# KiCad board prelude-driver-tail.kicad_pcb
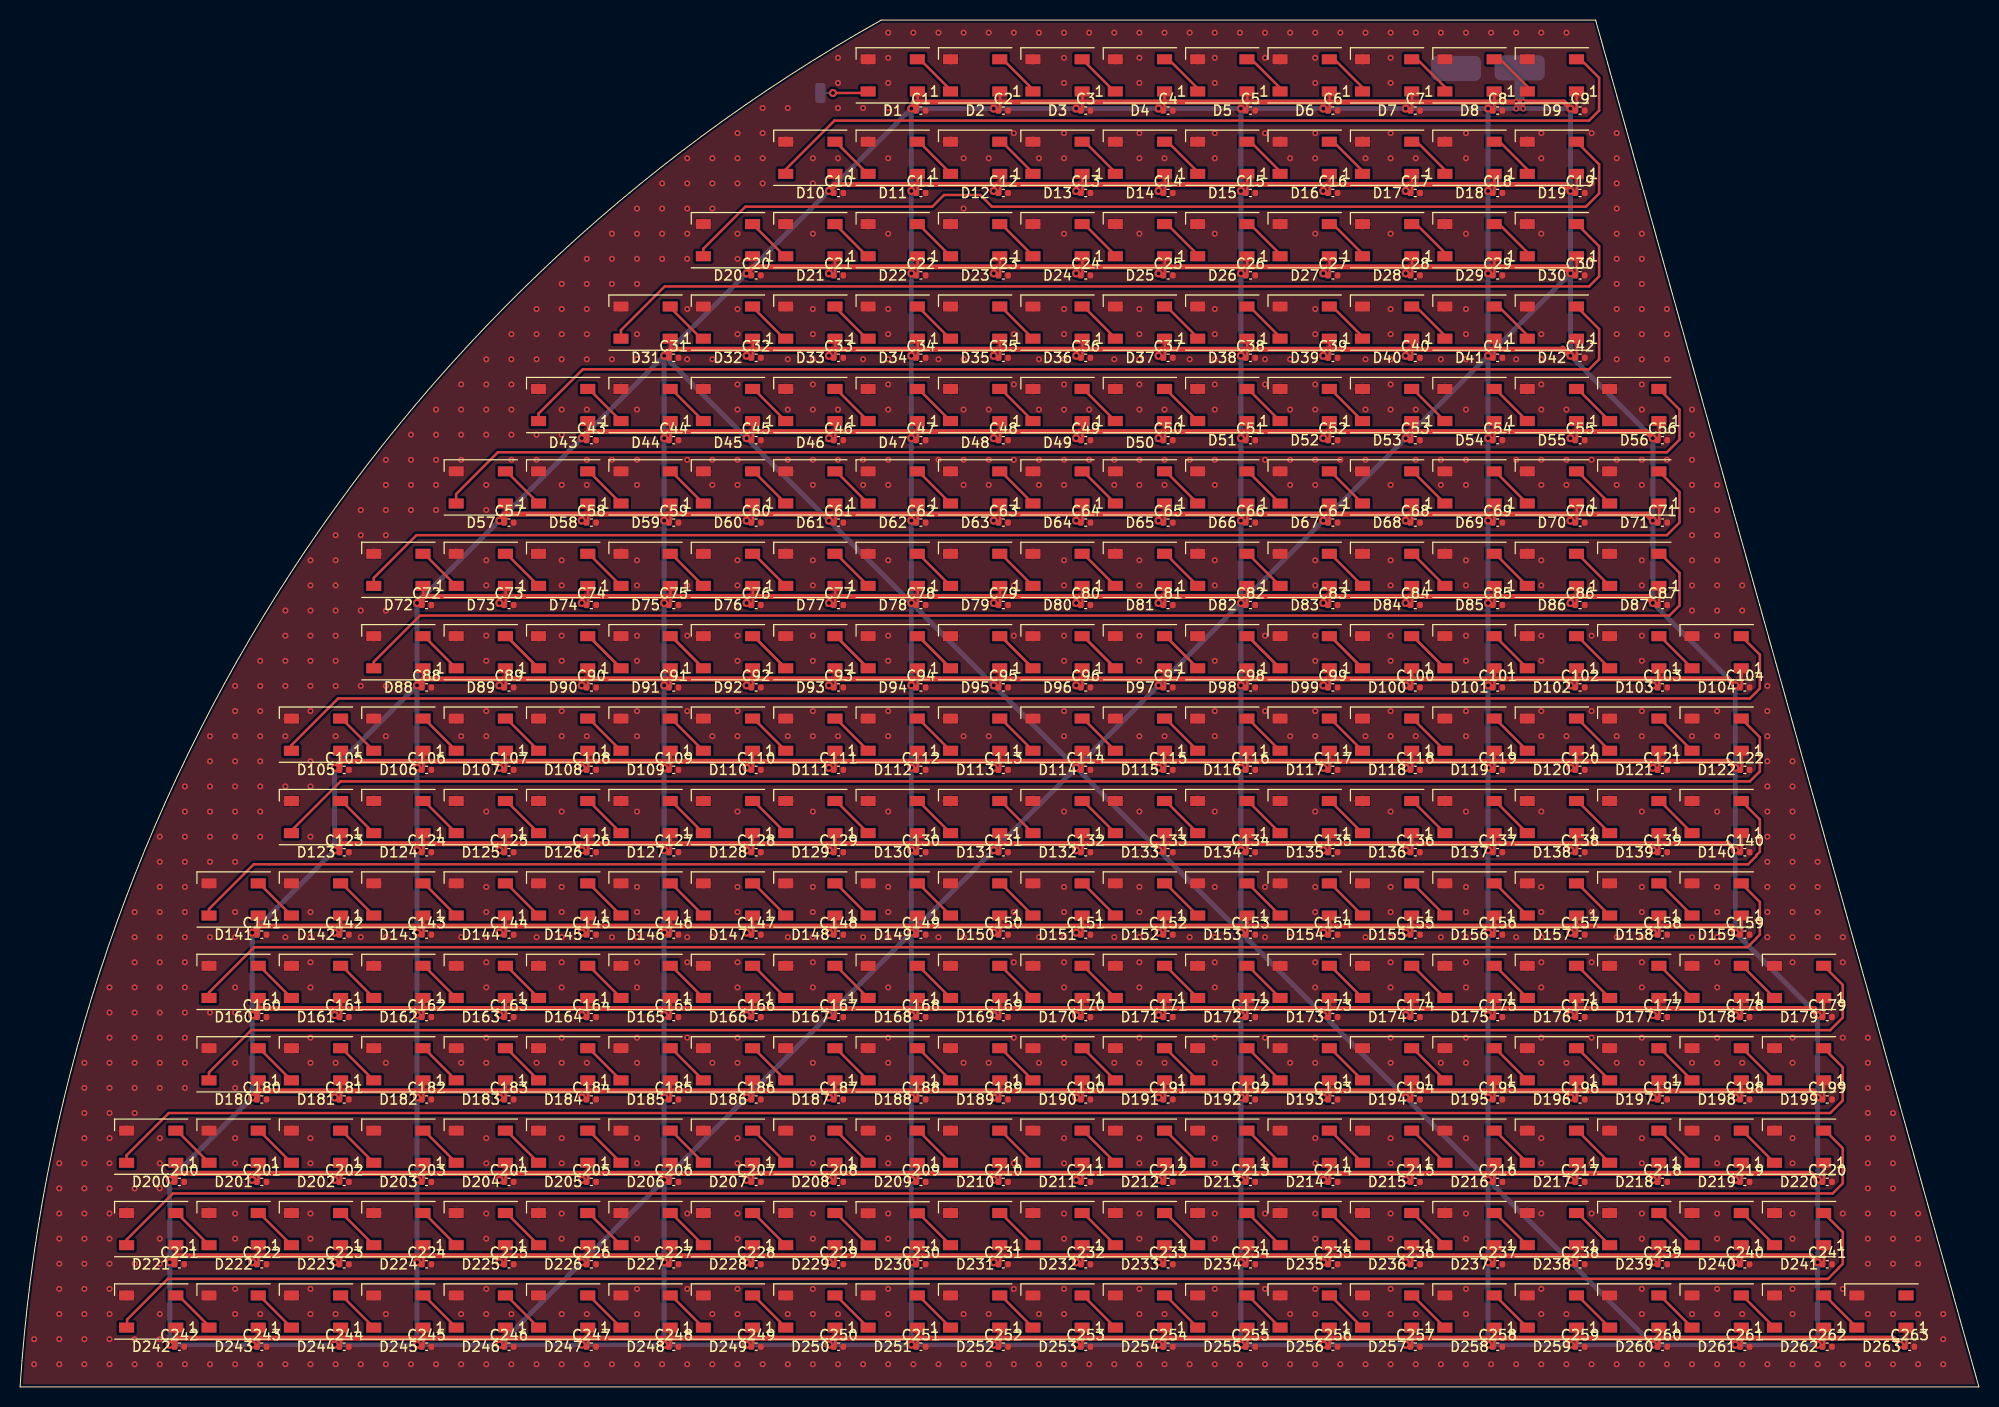
[diagram p0: board, top side]
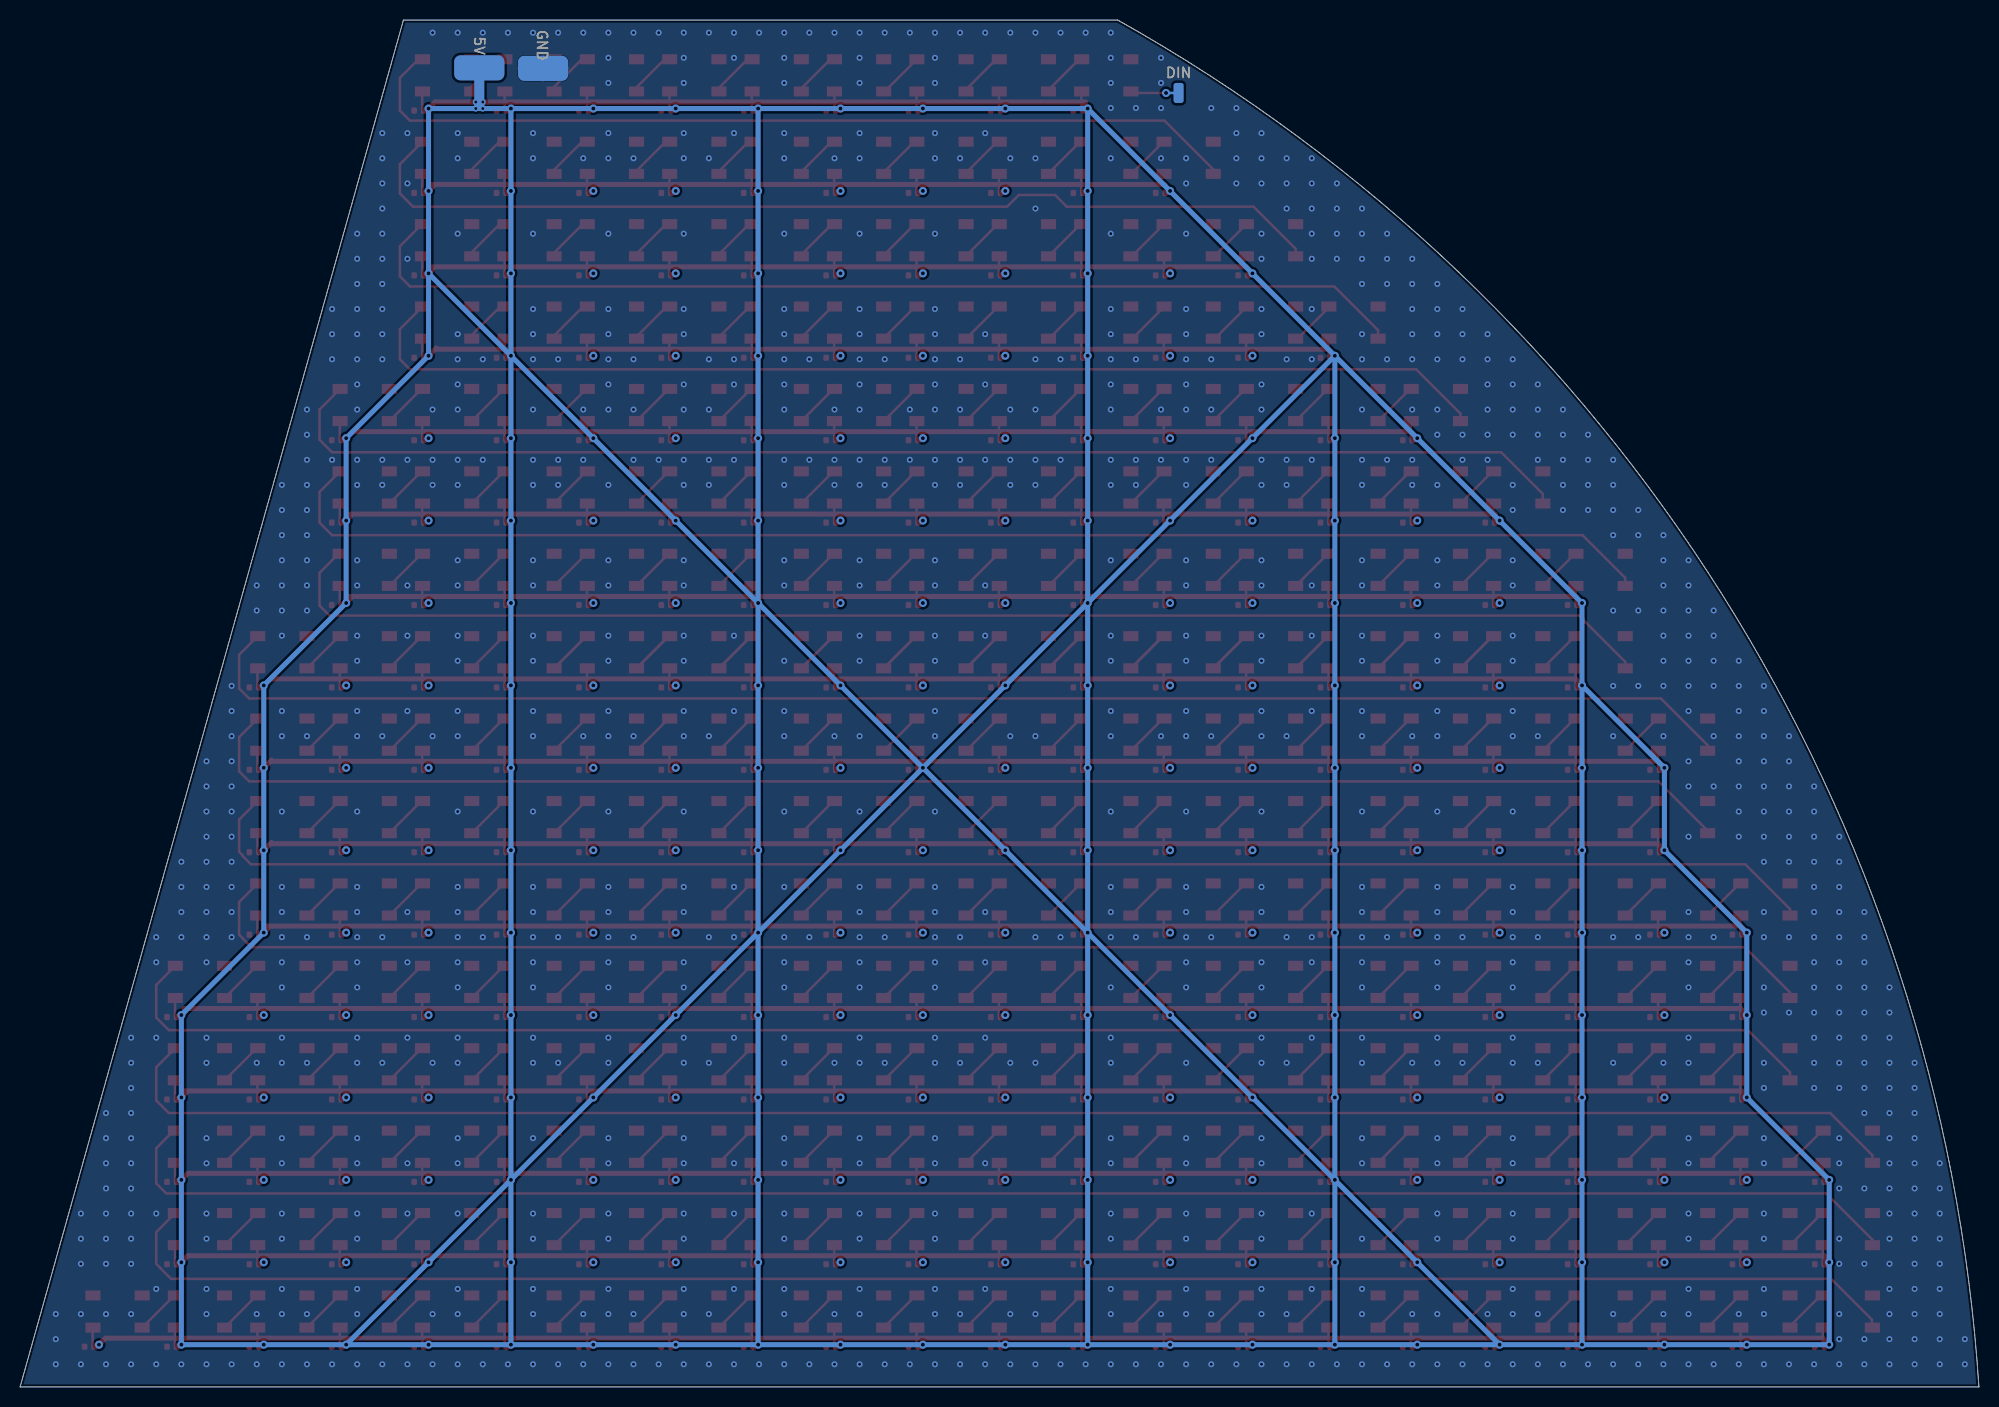
[diagram p1: board, bottom side, seen from below]

Outline 194.95 x 136 mm; copper layers: Top, Bottom. Coordinates in mm from the lower left corner of the outline.
Outline path: 0,0 arc(25.58,78.88) 85.7,136 156.8,136 194.95,0 0,0
Stack: Top 0.035mm / dielectric 1.51mm FR4 er 4.5 / Bottom 0.035mm

## Placement (name value [footprint] x y rotation side)
5V  Conn_01x01_Female  [SolderWirePad_1x01_SMD_5x10mm]  149.25 131.25 270 bottom
C1  100nF  [C_0402_1005Metric]  89.65 127 0 top
C2  100nF  [C_0402_1005Metric]  97.85 127 0 top
C3  100nF  [C_0402_1005Metric]  106.05 127 0 top
C4  100nF  [C_0402_1005Metric]  114.25 127 0 top
C5  100nF  [C_0402_1005Metric]  122.45 127 0 top
C6  100nF  [C_0402_1005Metric]  130.65 127 0 top
C7  100nF  [C_0402_1005Metric]  138.85 127 0 top
C8  100nF  [C_0402_1005Metric]  147.05 127 0 top
C9  100nF  [C_0402_1005Metric]  155.25 127 0 top
C10  100nF  [C_0402_1005Metric]  81.45 118.8 0 top
C11  100nF  [C_0402_1005Metric]  89.65 118.8 0 top
C12  100nF  [C_0402_1005Metric]  97.85 118.8 0 top
C13  100nF  [C_0402_1005Metric]  106.05 118.8 0 top
C14  100nF  [C_0402_1005Metric]  114.25 118.8 0 top
C15  100nF  [C_0402_1005Metric]  122.45 118.8 0 top
C16  100nF  [C_0402_1005Metric]  130.65 118.8 0 top
C17  100nF  [C_0402_1005Metric]  138.85 118.8 0 top
C18  100nF  [C_0402_1005Metric]  147.05 118.8 0 top
C19  100nF  [C_0402_1005Metric]  155.25 118.8 0 top
C20  100nF  [C_0402_1005Metric]  73.25 110.6 0 top
C21  100nF  [C_0402_1005Metric]  81.45 110.6 0 top
C22  100nF  [C_0402_1005Metric]  89.65 110.6 0 top
C23  100nF  [C_0402_1005Metric]  97.85 110.6 0 top
C24  100nF  [C_0402_1005Metric]  106.05 110.6 0 top
C25  100nF  [C_0402_1005Metric]  114.25 110.6 0 top
C26  100nF  [C_0402_1005Metric]  122.45 110.6 0 top
C27  100nF  [C_0402_1005Metric]  130.65 110.6 0 top
C28  100nF  [C_0402_1005Metric]  138.85 110.6 0 top
C29  100nF  [C_0402_1005Metric]  147.05 110.6 0 top
C30  100nF  [C_0402_1005Metric]  155.25 110.6 0 top
C31  100nF  [C_0402_1005Metric]  65.05 102.4 0 top
C32  100nF  [C_0402_1005Metric]  73.25 102.4 0 top
C33  100nF  [C_0402_1005Metric]  81.45 102.4 0 top
C34  100nF  [C_0402_1005Metric]  89.65 102.4 0 top
C35  100nF  [C_0402_1005Metric]  97.85 102.4 0 top
C36  100nF  [C_0402_1005Metric]  106.05 102.4 0 top
C37  100nF  [C_0402_1005Metric]  114.25 102.4 0 top
C38  100nF  [C_0402_1005Metric]  122.45 102.4 0 top
C39  100nF  [C_0402_1005Metric]  130.65 102.4 0 top
C40  100nF  [C_0402_1005Metric]  138.85 102.4 0 top
C41  100nF  [C_0402_1005Metric]  147.05 102.4 0 top
C42  100nF  [C_0402_1005Metric]  155.25 102.4 0 top
C43  100nF  [C_0402_1005Metric]  56.85 94.2 0 top
C44  100nF  [C_0402_1005Metric]  65.05 94.2 0 top
C45  100nF  [C_0402_1005Metric]  73.25 94.2 0 top
C46  100nF  [C_0402_1005Metric]  81.45 94.2 0 top
C47  100nF  [C_0402_1005Metric]  89.65 94.2 0 top
C48  100nF  [C_0402_1005Metric]  97.85 94.2 0 top
C49  100nF  [C_0402_1005Metric]  106.05 94.2 0 top
C50  100nF  [C_0402_1005Metric]  114.25 94.2 0 top
C51  100nF  [C_0402_1005Metric]  122.45 94.2 0 top
C52  100nF  [C_0402_1005Metric]  130.65 94.2 0 top
C53  100nF  [C_0402_1005Metric]  138.85 94.2 0 top
C54  100nF  [C_0402_1005Metric]  147.05 94.2 0 top
C55  100nF  [C_0402_1005Metric]  155.25 94.2 0 top
C56  100nF  [C_0402_1005Metric]  163.45 94.2 0 top
C57  100nF  [C_0402_1005Metric]  48.65 86 0 top
C58  100nF  [C_0402_1005Metric]  56.85 86 0 top
C59  100nF  [C_0402_1005Metric]  65.05 86 0 top
C60  100nF  [C_0402_1005Metric]  73.25 86 0 top
C61  100nF  [C_0402_1005Metric]  81.45 86 0 top
C62  100nF  [C_0402_1005Metric]  89.65 86 0 top
C63  100nF  [C_0402_1005Metric]  97.85 86 0 top
C64  100nF  [C_0402_1005Metric]  106.05 86 0 top
C65  100nF  [C_0402_1005Metric]  114.25 86 0 top
C66  100nF  [C_0402_1005Metric]  122.45 86 0 top
C67  100nF  [C_0402_1005Metric]  130.65 86 0 top
C68  100nF  [C_0402_1005Metric]  138.85 86 0 top
C69  100nF  [C_0402_1005Metric]  147.05 86 0 top
C70  100nF  [C_0402_1005Metric]  155.25 86 0 top
C71  100nF  [C_0402_1005Metric]  163.45 86 0 top
C72  100nF  [C_0402_1005Metric]  40.45 77.8 0 top
C73  100nF  [C_0402_1005Metric]  48.65 77.8 0 top
C74  100nF  [C_0402_1005Metric]  56.85 77.8 0 top
C75  100nF  [C_0402_1005Metric]  65.05 77.8 0 top
C76  100nF  [C_0402_1005Metric]  73.25 77.8 0 top
C77  100nF  [C_0402_1005Metric]  81.45 77.8 0 top
C78  100nF  [C_0402_1005Metric]  89.65 77.8 0 top
C79  100nF  [C_0402_1005Metric]  97.85 77.8 0 top
C80  100nF  [C_0402_1005Metric]  106.05 77.8 0 top
C81  100nF  [C_0402_1005Metric]  114.25 77.8 0 top
C82  100nF  [C_0402_1005Metric]  122.45 77.8 0 top
C83  100nF  [C_0402_1005Metric]  130.65 77.8 0 top
C84  100nF  [C_0402_1005Metric]  138.85 77.8 0 top
C85  100nF  [C_0402_1005Metric]  147.05 77.8 0 top
C86  100nF  [C_0402_1005Metric]  155.25 77.8 0 top
C87  100nF  [C_0402_1005Metric]  163.45 77.8 0 top
C88  100nF  [C_0402_1005Metric]  40.45 69.6 0 top
C89  100nF  [C_0402_1005Metric]  48.65 69.6 0 top
C90  100nF  [C_0402_1005Metric]  56.85 69.6 0 top
C91  100nF  [C_0402_1005Metric]  65.05 69.6 0 top
C92  100nF  [C_0402_1005Metric]  73.25 69.6 0 top
C93  100nF  [C_0402_1005Metric]  81.45 69.6 0 top
C94  100nF  [C_0402_1005Metric]  89.65 69.6 0 top
C95  100nF  [C_0402_1005Metric]  97.85 69.6 0 top
C96  100nF  [C_0402_1005Metric]  106.05 69.6 0 top
C97  100nF  [C_0402_1005Metric]  114.25 69.6 0 top
C98  100nF  [C_0402_1005Metric]  122.45 69.6 0 top
C99  100nF  [C_0402_1005Metric]  130.65 69.6 0 top
C100  100nF  [C_0402_1005Metric]  138.85 69.6 0 top
C101  100nF  [C_0402_1005Metric]  147.05 69.6 0 top
C102  100nF  [C_0402_1005Metric]  155.25 69.6 0 top
C103  100nF  [C_0402_1005Metric]  163.45 69.6 0 top
C104  100nF  [C_0402_1005Metric]  171.65 69.6 0 top
C105  100nF  [C_0402_1005Metric]  32.25 61.4 0 top
C106  100nF  [C_0402_1005Metric]  40.45 61.4 0 top
C107  100nF  [C_0402_1005Metric]  48.65 61.4 0 top
C108  100nF  [C_0402_1005Metric]  56.85 61.4 0 top
C109  100nF  [C_0402_1005Metric]  65.05 61.4 0 top
C110  100nF  [C_0402_1005Metric]  73.25 61.4 0 top
C111  100nF  [C_0402_1005Metric]  81.45 61.4 0 top
C112  100nF  [C_0402_1005Metric]  89.65 61.4 0 top
C113  100nF  [C_0402_1005Metric]  97.85 61.4 0 top
C114  100nF  [C_0402_1005Metric]  106.05 61.4 0 top
C115  100nF  [C_0402_1005Metric]  114.25 61.4 0 top
C116  100nF  [C_0402_1005Metric]  122.45 61.4 0 top
C117  100nF  [C_0402_1005Metric]  130.65 61.4 0 top
C118  100nF  [C_0402_1005Metric]  138.85 61.4 0 top
C119  100nF  [C_0402_1005Metric]  147.05 61.4 0 top
C120  100nF  [C_0402_1005Metric]  155.25 61.4 0 top
C121  100nF  [C_0402_1005Metric]  163.45 61.4 0 top
C122  100nF  [C_0402_1005Metric]  171.65 61.4 0 top
C123  100nF  [C_0402_1005Metric]  32.25 53.2 0 top
C124  100nF  [C_0402_1005Metric]  40.45 53.2 0 top
C125  100nF  [C_0402_1005Metric]  48.65 53.2 0 top
C126  100nF  [C_0402_1005Metric]  56.85 53.2 0 top
C127  100nF  [C_0402_1005Metric]  65.05 53.2 0 top
C128  100nF  [C_0402_1005Metric]  73.25 53.2 0 top
C129  100nF  [C_0402_1005Metric]  81.45 53.2 0 top
C130  100nF  [C_0402_1005Metric]  89.65 53.2 0 top
C131  100nF  [C_0402_1005Metric]  97.85 53.2 0 top
C132  100nF  [C_0402_1005Metric]  106.05 53.2 0 top
C133  100nF  [C_0402_1005Metric]  114.25 53.2 0 top
C134  100nF  [C_0402_1005Metric]  122.45 53.2 0 top
C135  100nF  [C_0402_1005Metric]  130.65 53.2 0 top
C136  100nF  [C_0402_1005Metric]  138.85 53.2 0 top
C137  100nF  [C_0402_1005Metric]  147.05 53.2 0 top
C138  100nF  [C_0402_1005Metric]  155.25 53.2 0 top
C139  100nF  [C_0402_1005Metric]  163.45 53.2 0 top
C140  100nF  [C_0402_1005Metric]  171.65 53.2 0 top
C141  100nF  [C_0402_1005Metric]  24.05 45 0 top
C142  100nF  [C_0402_1005Metric]  32.25 45 0 top
C143  100nF  [C_0402_1005Metric]  40.45 45 0 top
C144  100nF  [C_0402_1005Metric]  48.65 45 0 top
C145  100nF  [C_0402_1005Metric]  56.85 45 0 top
C146  100nF  [C_0402_1005Metric]  65.05 45 0 top
C147  100nF  [C_0402_1005Metric]  73.25 45 0 top
C148  100nF  [C_0402_1005Metric]  81.45 45 0 top
C149  100nF  [C_0402_1005Metric]  89.65 45 0 top
C150  100nF  [C_0402_1005Metric]  97.85 45 0 top
C151  100nF  [C_0402_1005Metric]  106.05 45 0 top
C152  100nF  [C_0402_1005Metric]  114.25 45 0 top
C153  100nF  [C_0402_1005Metric]  122.45 45 0 top
C154  100nF  [C_0402_1005Metric]  130.65 45 0 top
C155  100nF  [C_0402_1005Metric]  138.85 45 0 top
C156  100nF  [C_0402_1005Metric]  147.05 45 0 top
C157  100nF  [C_0402_1005Metric]  155.25 45 0 top
C158  100nF  [C_0402_1005Metric]  163.45 45 0 top
C159  100nF  [C_0402_1005Metric]  171.65 45 0 top
C160  100nF  [C_0402_1005Metric]  24.05 36.8 0 top
C161  100nF  [C_0402_1005Metric]  32.25 36.8 0 top
C162  100nF  [C_0402_1005Metric]  40.45 36.8 0 top
C163  100nF  [C_0402_1005Metric]  48.65 36.8 0 top
C164  100nF  [C_0402_1005Metric]  56.85 36.8 0 top
C165  100nF  [C_0402_1005Metric]  65.05 36.8 0 top
C166  100nF  [C_0402_1005Metric]  73.25 36.8 0 top
C167  100nF  [C_0402_1005Metric]  81.45 36.8 0 top
C168  100nF  [C_0402_1005Metric]  89.65 36.8 0 top
C169  100nF  [C_0402_1005Metric]  97.85 36.8 0 top
C170  100nF  [C_0402_1005Metric]  106.05 36.8 0 top
C171  100nF  [C_0402_1005Metric]  114.25 36.8 0 top
C172  100nF  [C_0402_1005Metric]  122.45 36.8 0 top
C173  100nF  [C_0402_1005Metric]  130.65 36.8 0 top
C174  100nF  [C_0402_1005Metric]  138.85 36.8 0 top
C175  100nF  [C_0402_1005Metric]  147.05 36.8 0 top
C176  100nF  [C_0402_1005Metric]  155.25 36.8 0 top
C177  100nF  [C_0402_1005Metric]  163.45 36.8 0 top
C178  100nF  [C_0402_1005Metric]  171.65 36.8 0 top
C179  100nF  [C_0402_1005Metric]  179.85 36.8 0 top
C180  100nF  [C_0402_1005Metric]  24.05 28.6 0 top
C181  100nF  [C_0402_1005Metric]  32.25 28.6 0 top
C182  100nF  [C_0402_1005Metric]  40.45 28.6 0 top
C183  100nF  [C_0402_1005Metric]  48.65 28.6 0 top
C184  100nF  [C_0402_1005Metric]  56.85 28.6 0 top
C185  100nF  [C_0402_1005Metric]  65.05 28.6 0 top
C186  100nF  [C_0402_1005Metric]  73.25 28.6 0 top
C187  100nF  [C_0402_1005Metric]  81.45 28.6 0 top
C188  100nF  [C_0402_1005Metric]  89.65 28.6 0 top
C189  100nF  [C_0402_1005Metric]  97.85 28.6 0 top
C190  100nF  [C_0402_1005Metric]  106.05 28.6 0 top
C191  100nF  [C_0402_1005Metric]  114.25 28.6 0 top
C192  100nF  [C_0402_1005Metric]  122.45 28.6 0 top
C193  100nF  [C_0402_1005Metric]  130.65 28.6 0 top
C194  100nF  [C_0402_1005Metric]  138.85 28.6 0 top
C195  100nF  [C_0402_1005Metric]  147.05 28.6 0 top
C196  100nF  [C_0402_1005Metric]  155.25 28.6 0 top
C197  100nF  [C_0402_1005Metric]  163.45 28.6 0 top
C198  100nF  [C_0402_1005Metric]  171.65 28.6 0 top
C199  100nF  [C_0402_1005Metric]  179.85 28.6 0 top
C200  100nF  [C_0402_1005Metric]  15.85 20.4 0 top
C201  100nF  [C_0402_1005Metric]  24.05 20.4 0 top
C202  100nF  [C_0402_1005Metric]  32.25 20.4 0 top
C203  100nF  [C_0402_1005Metric]  40.45 20.4 0 top
C204  100nF  [C_0402_1005Metric]  48.65 20.4 0 top
C205  100nF  [C_0402_1005Metric]  56.85 20.4 0 top
C206  100nF  [C_0402_1005Metric]  65.05 20.4 0 top
C207  100nF  [C_0402_1005Metric]  73.25 20.4 0 top
C208  100nF  [C_0402_1005Metric]  81.45 20.4 0 top
C209  100nF  [C_0402_1005Metric]  89.65 20.4 0 top
C210  100nF  [C_0402_1005Metric]  97.85 20.4 0 top
C211  100nF  [C_0402_1005Metric]  106.05 20.4 0 top
C212  100nF  [C_0402_1005Metric]  114.25 20.4 0 top
C213  100nF  [C_0402_1005Metric]  122.45 20.4 0 top
C214  100nF  [C_0402_1005Metric]  130.65 20.4 0 top
C215  100nF  [C_0402_1005Metric]  138.85 20.4 0 top
C216  100nF  [C_0402_1005Metric]  147.05 20.4 0 top
C217  100nF  [C_0402_1005Metric]  155.25 20.4 0 top
C218  100nF  [C_0402_1005Metric]  163.45 20.4 0 top
C219  100nF  [C_0402_1005Metric]  171.65 20.4 0 top
C220  100nF  [C_0402_1005Metric]  179.85 20.4 0 top
C221  100nF  [C_0402_1005Metric]  15.85 12.2 0 top
C222  100nF  [C_0402_1005Metric]  24.05 12.2 0 top
C223  100nF  [C_0402_1005Metric]  32.25 12.2 0 top
C224  100nF  [C_0402_1005Metric]  40.45 12.2 0 top
C225  100nF  [C_0402_1005Metric]  48.65 12.2 0 top
C226  100nF  [C_0402_1005Metric]  56.85 12.2 0 top
C227  100nF  [C_0402_1005Metric]  65.05 12.2 0 top
C228  100nF  [C_0402_1005Metric]  73.25 12.2 0 top
C229  100nF  [C_0402_1005Metric]  81.45 12.2 0 top
C230  100nF  [C_0402_1005Metric]  89.65 12.2 0 top
C231  100nF  [C_0402_1005Metric]  97.85 12.2 0 top
C232  100nF  [C_0402_1005Metric]  106.05 12.2 0 top
C233  100nF  [C_0402_1005Metric]  114.25 12.2 0 top
C234  100nF  [C_0402_1005Metric]  122.45 12.2 0 top
C235  100nF  [C_0402_1005Metric]  130.65 12.2 0 top
C236  100nF  [C_0402_1005Metric]  138.85 12.2 0 top
C237  100nF  [C_0402_1005Metric]  147.05 12.2 0 top
C238  100nF  [C_0402_1005Metric]  155.25 12.2 0 top
C239  100nF  [C_0402_1005Metric]  163.45 12.2 0 top
C240  100nF  [C_0402_1005Metric]  171.65 12.2 0 top
C241  100nF  [C_0402_1005Metric]  179.85 12.2 0 top
C242  100nF  [C_0402_1005Metric]  15.85 4 0 top
C243  100nF  [C_0402_1005Metric]  24.05 4 0 top
C244  100nF  [C_0402_1005Metric]  32.25 4 0 top
C245  100nF  [C_0402_1005Metric]  40.45 4 0 top
C246  100nF  [C_0402_1005Metric]  48.65 4 0 top
C247  100nF  [C_0402_1005Metric]  56.85 4 0 top
C248  100nF  [C_0402_1005Metric]  65.05 4 0 top
C249  100nF  [C_0402_1005Metric]  73.25 4 0 top
C250  100nF  [C_0402_1005Metric]  81.45 4 0 top
C251  100nF  [C_0402_1005Metric]  89.65 4 0 top
C252  100nF  [C_0402_1005Metric]  97.85 4 0 top
C253  100nF  [C_0402_1005Metric]  106.05 4 0 top
C254  100nF  [C_0402_1005Metric]  114.25 4 0 top
C255  100nF  [C_0402_1005Metric]  122.45 4 0 top
C256  100nF  [C_0402_1005Metric]  130.65 4 0 top
C257  100nF  [C_0402_1005Metric]  138.85 4 0 top
C258  100nF  [C_0402_1005Metric]  147.05 4 0 top
C259  100nF  [C_0402_1005Metric]  155.25 4 0 top
C260  100nF  [C_0402_1005Metric]  163.45 4 0 top
C261  100nF  [C_0402_1005Metric]  171.65 4 0 top
C262  100nF  [C_0402_1005Metric]  179.85 4 0 top
C263  100nF  [C_0402_1005Metric]  188.05 4 0 top